# Altium PCB Tag201_GangProgrammerRev1.PcbDoc (part 5 of 7) (continued)
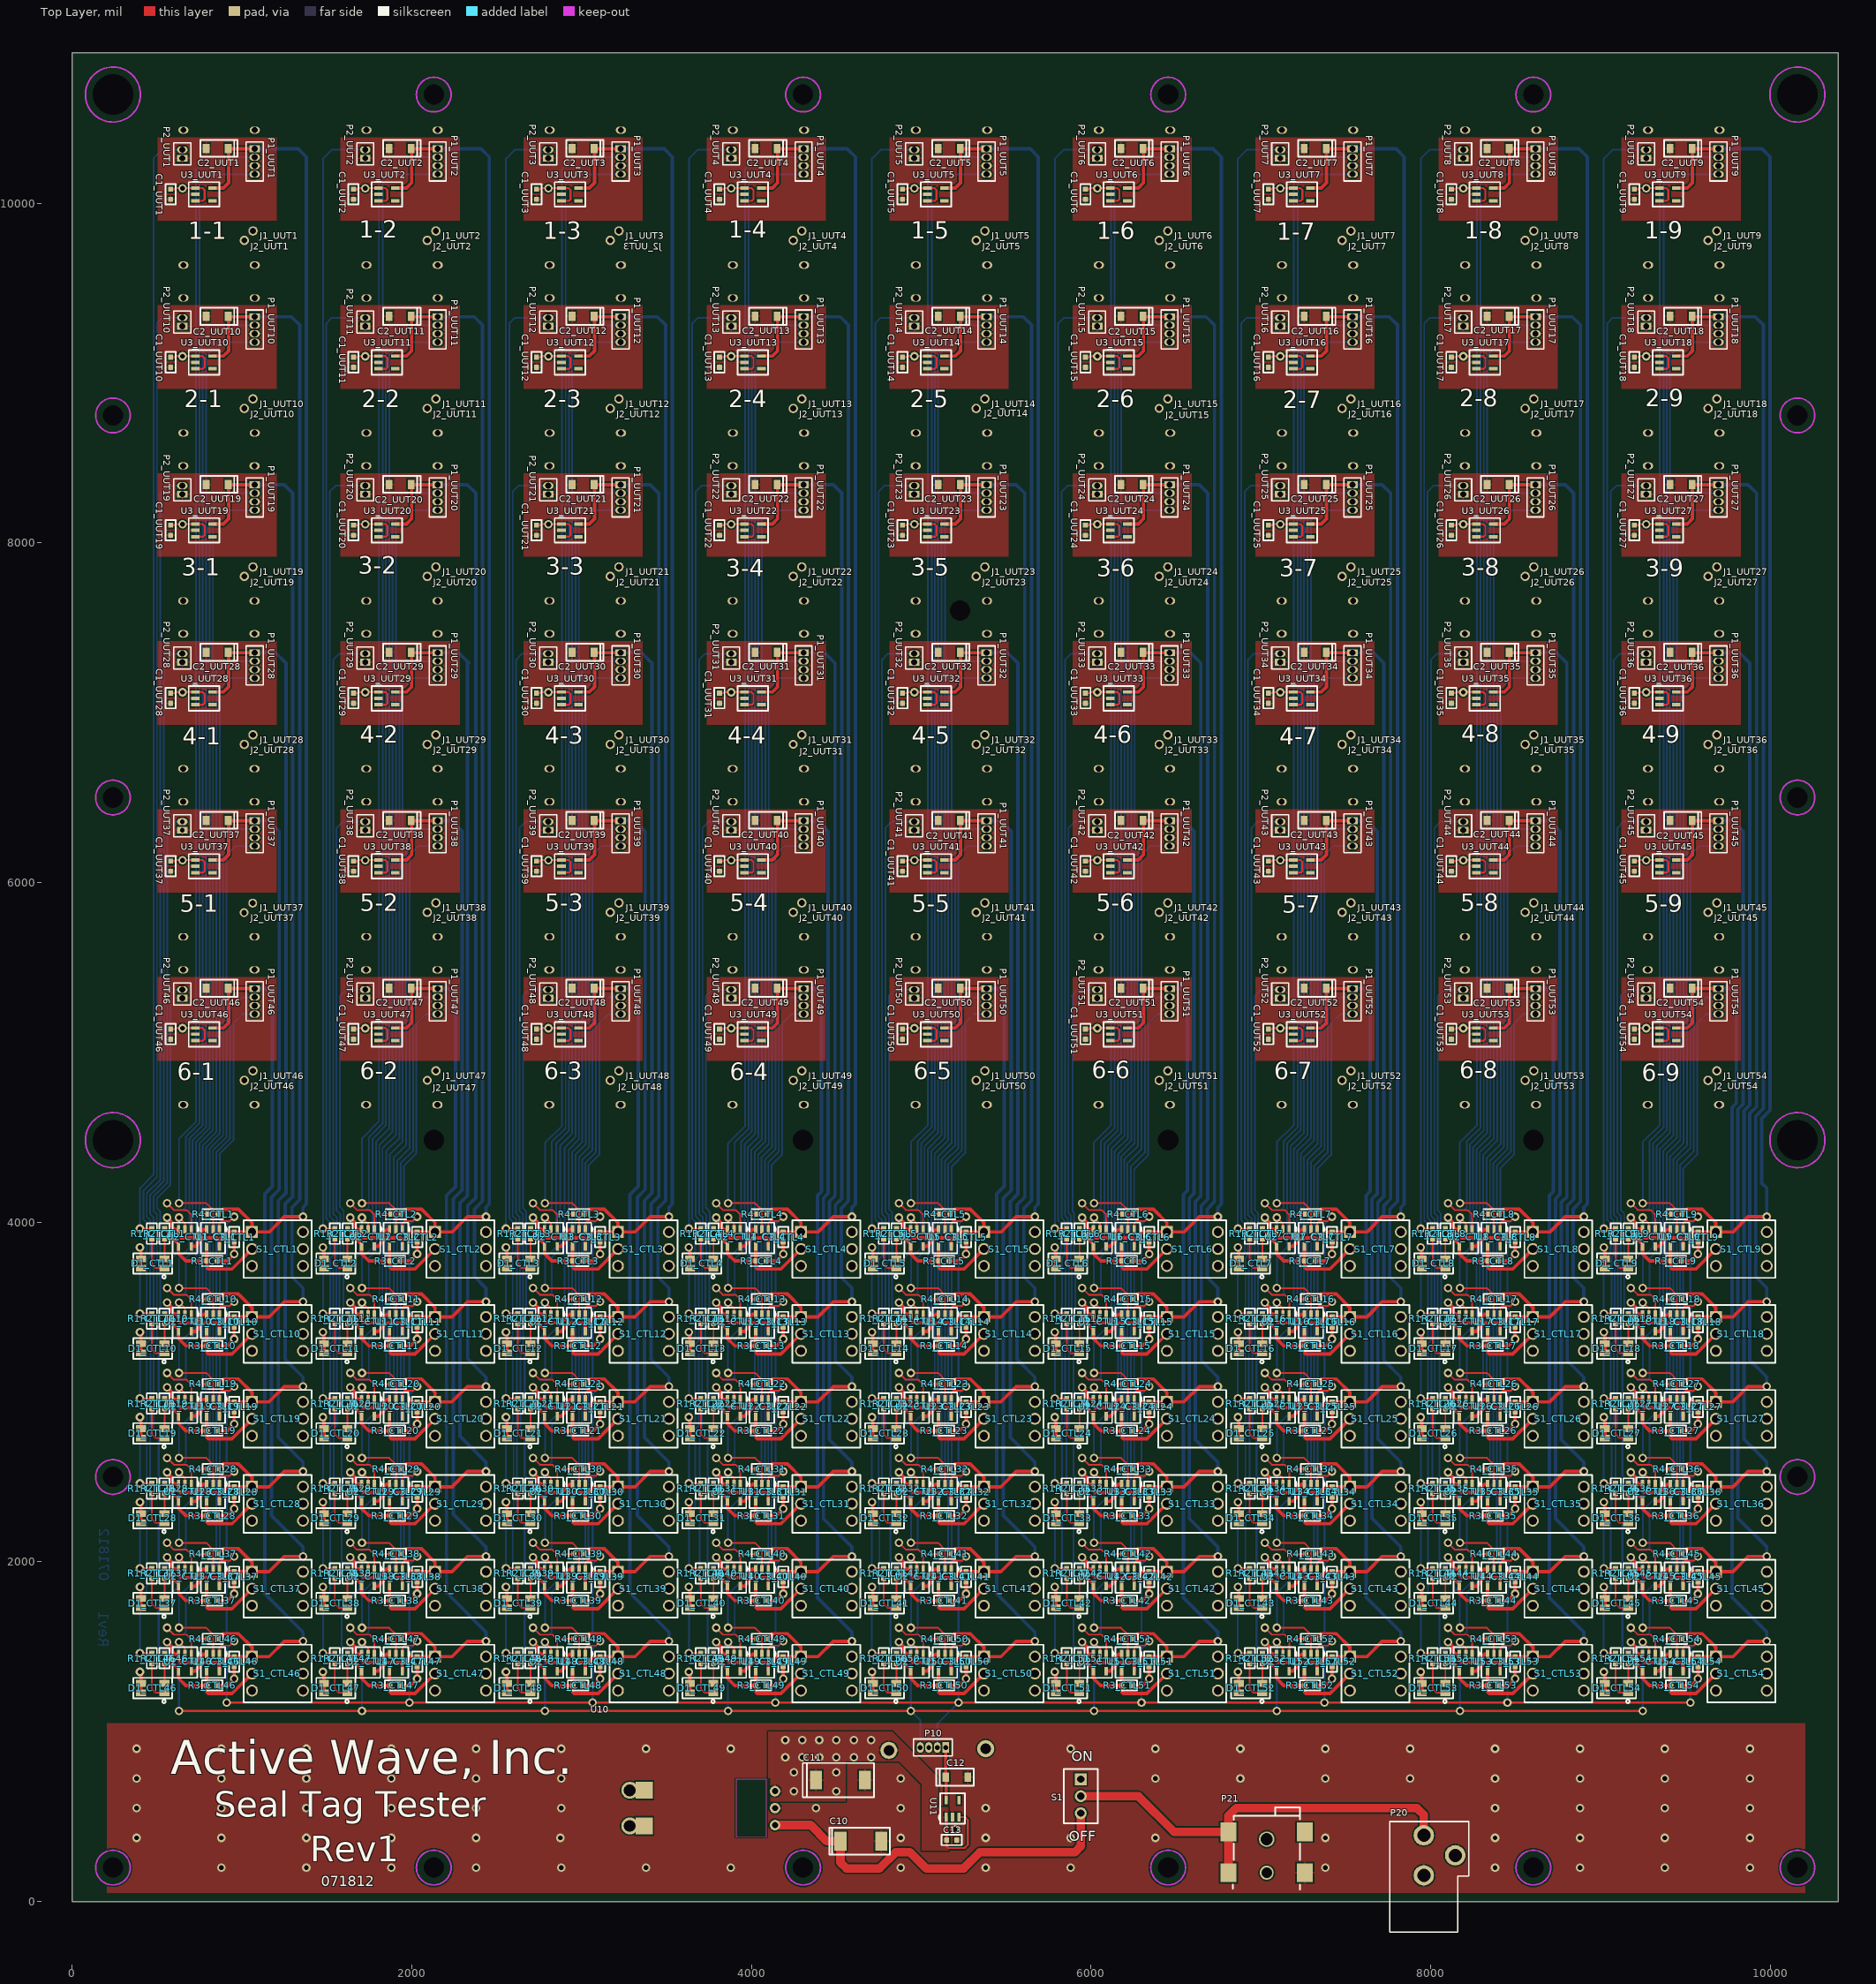
[diagram p0: Top Layer view]
## Nets (pads, with @x,y where several pads share a name; then routed paths per layer and width w, separated by ;. In a path a pad name is that pad's centre, name@x,y a point inside that pad or via, vN(x,y) a via of type N, cw(c..) or ccw(c..) an arc to the next point about the centre after c; other vN are vias at no path point) (continued)
NetR2_CTL36_2: R2_CTL36.2 R3_CTL36.1 S1_CTL36.2 U1_CTL36.4 U2_CTL36.4 | length 814.9
  Top Layer w10: R3_CTL36.1@9411.5,2269.5 9411.5,2272 R3_CTL36.1@9411.5,2274.5
  Top Layer w20: R2_CTL36.2@9164,2462 9209,2417 9209,2407 9246.5,2369.5 U2_CTL36.4@9246.5,2357 9246.5,2314.5 9289,2272 9411.5,2272 R3_CTL36.1@9414,2272 ; U1_CTL36.4@9411.5,2357 9411.5,2274.5 R3_CTL36.1@9414,2272 ; S1_CTL36.2@9679,2342 9561.09,2224.09 9421.91,2224.09 9414,2232 R3_CTL36.1@9414,2272
NetR2_CTL37_2: R2_CTL37.2 R3_CTL37.1 S1_CTL37.2 U1_CTL37.4 U2_CTL37.4 | length 814.9
  Top Layer w10: R3_CTL37.1@791.5,1769.5 791.5,1772 R3_CTL37.1@791.5,1774.5
  Top Layer w20: R2_CTL37.2@544,1962 589,1917 589,1907 626.5,1869.5 U2_CTL37.4@626.5,1857 626.5,1814.5 669,1772 791.5,1772 R3_CTL37.1@794,1772 ; U1_CTL37.4@791.5,1857 791.5,1774.5 R3_CTL37.1@794,1772 ; S1_CTL37.2@1059,1842 941.09,1724.09 801.91,1724.09 794,1732 R3_CTL37.1@794,1772
NetR2_CTL38_2: R2_CTL38.2 R3_CTL38.1 S1_CTL38.2 U1_CTL38.4 U2_CTL38.4 | length 814.9
  Top Layer w10: R3_CTL38.1@1869,1769.5 1869,1772 R3_CTL38.1@1869,1774.5
  Top Layer w20: R2_CTL38.2@1621.5,1962 1666.5,1917 1666.5,1907 1704,1869.5 U2_CTL38.4@1704,1857 1704,1814.5 1746.5,1772 1869,1772 R3_CTL38.1@1871.5,1772 ; U1_CTL38.4@1869,1857 1869,1774.5 R3_CTL38.1@1871.5,1772 ; S1_CTL38.2@2136.5,1842 2018.59,1724.09 1879.41,1724.09 1871.5,1732 R3_CTL38.1@1871.5,1772
NetR2_CTL39_2: R2_CTL39.2 R3_CTL39.1 S1_CTL39.2 U1_CTL39.4 U2_CTL39.4 | length 814.9
  Top Layer w10: R3_CTL39.1@2946.5,1769.5 2946.5,1772 R3_CTL39.1@2946.5,1774.5
  Top Layer w20: R2_CTL39.2@2699,1962 2744,1917 2744,1907 2781.5,1869.5 U2_CTL39.4@2781.5,1857 2781.5,1814.5 2824,1772 2946.5,1772 R3_CTL39.1@2949,1772 ; U1_CTL39.4@2946.5,1857 2946.5,1774.5 R3_CTL39.1@2949,1772 ; S1_CTL39.2@3214,1842 3096.09,1724.09 2956.91,1724.09 2949,1732 R3_CTL39.1@2949,1772
NetR2_CTL40_2: R2_CTL40.2 R3_CTL40.1 S1_CTL40.2 U1_CTL40.4 U2_CTL40.4 | length 814.9
  Top Layer w10: R3_CTL40.1@4024,1769.5 4024,1772 R3_CTL40.1@4024,1774.5
  Top Layer w20: R2_CTL40.2@3776.5,1962 3821.5,1917 3821.5,1907 3859,1869.5 U2_CTL40.4@3859,1857 3859,1814.5 3901.5,1772 4024,1772 R3_CTL40.1@4026.5,1772 ; U1_CTL40.4@4024,1857 4024,1774.5 R3_CTL40.1@4026.5,1772 ; S1_CTL40.2@4291.5,1842 4173.59,1724.09 4034.41,1724.09 4026.5,1732 R3_CTL40.1@4026.5,1772
NetR2_CTL41_2: R2_CTL41.2 R3_CTL41.1 S1_CTL41.2 U1_CTL41.4 U2_CTL41.4 | length 814.9
  Top Layer w10: R3_CTL41.1@5101.5,1769.5 5101.5,1772 R3_CTL41.1@5101.5,1774.5
  Top Layer w20: R2_CTL41.2@4854,1962 4899,1917 4899,1907 4936.5,1869.5 U2_CTL41.4@4936.5,1857 4936.5,1814.5 4979,1772 5101.5,1772 R3_CTL41.1@5104,1772 ; U1_CTL41.4@5101.5,1857 5101.5,1774.5 R3_CTL41.1@5104,1772 ; S1_CTL41.2@5369,1842 5251.09,1724.09 5111.91,1724.09 5104,1732 R3_CTL41.1@5104,1772
NetR2_CTL42_2: R2_CTL42.2 R3_CTL42.1 S1_CTL42.2 U1_CTL42.4 U2_CTL42.4 | length 814.9
  Top Layer w10: R3_CTL42.1@6179,1769.5 6179,1772 R3_CTL42.1@6179,1774.5
  Top Layer w20: R2_CTL42.2@5931.5,1962 5976.5,1917 5976.5,1907 6014,1869.5 U2_CTL42.4@6014,1857 6014,1814.5 6056.5,1772 6179,1772 R3_CTL42.1@6181.5,1772 ; U1_CTL42.4@6179,1857 6179,1774.5 R3_CTL42.1@6181.5,1772 ; S1_CTL42.2@6446.5,1842 6328.59,1724.09 6189.41,1724.09 6181.5,1732 R3_CTL42.1@6181.5,1772
NetR2_CTL43_2: R2_CTL43.2 R3_CTL43.1 S1_CTL43.2 U1_CTL43.4 U2_CTL43.4 | length 814.9
  Top Layer w10: R3_CTL43.1@7256.5,1769.5 7256.5,1772 R3_CTL43.1@7256.5,1774.5
  Top Layer w20: R2_CTL43.2@7009,1962 7054,1917 7054,1907 7091.5,1869.5 U2_CTL43.4@7091.5,1857 7091.5,1814.5 7134,1772 7256.5,1772 R3_CTL43.1@7259,1772 ; U1_CTL43.4@7256.5,1857 7256.5,1774.5 R3_CTL43.1@7259,1772 ; S1_CTL43.2@7524,1842 7406.09,1724.09 7266.91,1724.09 7259,1732 R3_CTL43.1@7259,1772
NetR2_CTL44_2: R2_CTL44.2 R3_CTL44.1 S1_CTL44.2 U1_CTL44.4 U2_CTL44.4 | length 814.9
  Top Layer w10: R3_CTL44.1@8334,1769.5 8334,1772 R3_CTL44.1@8334,1774.5
  Top Layer w20: R2_CTL44.2@8086.5,1962 8131.5,1917 8131.5,1907 8169,1869.5 U2_CTL44.4@8169,1857 8169,1814.5 8211.5,1772 8334,1772 R3_CTL44.1@8336.5,1772 ; U1_CTL44.4@8334,1857 8334,1774.5 R3_CTL44.1@8336.5,1772 ; S1_CTL44.2@8601.5,1842 8483.59,1724.09 8344.41,1724.09 8336.5,1732 R3_CTL44.1@8336.5,1772
NetR2_CTL45_2: R2_CTL45.2 R3_CTL45.1 S1_CTL45.2 U1_CTL45.4 U2_CTL45.4 | length 814.9
  Top Layer w10: R3_CTL45.1@9411.5,1769.5 9411.5,1772 R3_CTL45.1@9411.5,1774.5
  Top Layer w20: R2_CTL45.2@9164,1962 9209,1917 9209,1907 9246.5,1869.5 U2_CTL45.4@9246.5,1857 9246.5,1814.5 9289,1772 9411.5,1772 R3_CTL45.1@9414,1772 ; U1_CTL45.4@9411.5,1857 9411.5,1774.5 R3_CTL45.1@9414,1772 ; S1_CTL45.2@9679,1842 9561.09,1724.09 9421.91,1724.09 9414,1732 R3_CTL45.1@9414,1772
NetR2_CTL46_2: R2_CTL46.2 R3_CTL46.1 S1_CTL46.2 U1_CTL46.4 U2_CTL46.4 | length 814.9
  Top Layer w10: R3_CTL46.1@791.5,1269.5 791.5,1272 R3_CTL46.1@791.5,1274.5
  Top Layer w20: R2_CTL46.2@544,1462 589,1417 589,1407 626.5,1369.5 U2_CTL46.4@626.5,1357 626.5,1314.5 669,1272 791.5,1272 R3_CTL46.1@794,1272 ; U1_CTL46.4@791.5,1357 791.5,1274.5 R3_CTL46.1@794,1272 ; S1_CTL46.2@1059,1342 941.09,1224.09 801.91,1224.09 794,1232 R3_CTL46.1@794,1272
NetR2_CTL47_2: R2_CTL47.2 R3_CTL47.1 S1_CTL47.2 U1_CTL47.4 U2_CTL47.4 | length 814.9
  Top Layer w10: R3_CTL47.1@1869,1269.5 1869,1272 R3_CTL47.1@1869,1274.5
  Top Layer w20: R2_CTL47.2@1621.5,1462 1666.5,1417 1666.5,1407 1704,1369.5 U2_CTL47.4@1704,1357 1704,1314.5 1746.5,1272 1869,1272 R3_CTL47.1@1871.5,1272 ; U1_CTL47.4@1869,1357 1869,1274.5 R3_CTL47.1@1871.5,1272 ; S1_CTL47.2@2136.5,1342 2018.59,1224.09 1879.41,1224.09 1871.5,1232 R3_CTL47.1@1871.5,1272
NetR2_CTL48_2: R2_CTL48.2 R3_CTL48.1 S1_CTL48.2 U1_CTL48.4 U2_CTL48.4 | length 814.9
  Top Layer w10: R3_CTL48.1@2946.5,1269.5 2946.5,1272 R3_CTL48.1@2946.5,1274.5
  Top Layer w20: R2_CTL48.2@2699,1462 2744,1417 2744,1407 2781.5,1369.5 U2_CTL48.4@2781.5,1357 2781.5,1314.5 2824,1272 2946.5,1272 R3_CTL48.1@2949,1272 ; U1_CTL48.4@2946.5,1357 2946.5,1274.5 R3_CTL48.1@2949,1272 ; S1_CTL48.2@3214,1342 3096.09,1224.09 2956.91,1224.09 2949,1232 R3_CTL48.1@2949,1272
NetR2_CTL49_2: R2_CTL49.2 R3_CTL49.1 S1_CTL49.2 U1_CTL49.4 U2_CTL49.4 | length 814.9
  Top Layer w10: R3_CTL49.1@4024,1269.5 4024,1272 R3_CTL49.1@4024,1274.5
  Top Layer w20: R2_CTL49.2@3776.5,1462 3821.5,1417 3821.5,1407 3859,1369.5 U2_CTL49.4@3859,1357 3859,1314.5 3901.5,1272 4024,1272 R3_CTL49.1@4026.5,1272 ; U1_CTL49.4@4024,1357 4024,1274.5 R3_CTL49.1@4026.5,1272 ; S1_CTL49.2@4291.5,1342 4173.59,1224.09 4034.41,1224.09 4026.5,1232 R3_CTL49.1@4026.5,1272
NetR2_CTL50_2: R2_CTL50.2 R3_CTL50.1 S1_CTL50.2 U1_CTL50.4 U2_CTL50.4 | length 814.9
  Top Layer w10: R3_CTL50.1@5101.5,1269.5 5101.5,1272 R3_CTL50.1@5101.5,1274.5
  Top Layer w20: R2_CTL50.2@4854,1462 4899,1417 4899,1407 4936.5,1369.5 U2_CTL50.4@4936.5,1357 4936.5,1314.5 4979,1272 5101.5,1272 R3_CTL50.1@5104,1272 ; U1_CTL50.4@5101.5,1357 5101.5,1274.5 R3_CTL50.1@5104,1272 ; S1_CTL50.2@5369,1342 5251.09,1224.09 5111.91,1224.09 5104,1232 R3_CTL50.1@5104,1272
NetR2_CTL51_2: R2_CTL51.2 R3_CTL51.1 S1_CTL51.2 U1_CTL51.4 U2_CTL51.4 | length 814.9
  Top Layer w10: R3_CTL51.1@6179,1269.5 6179,1272 R3_CTL51.1@6179,1274.5
  Top Layer w20: R2_CTL51.2@5931.5,1462 5976.5,1417 5976.5,1407 6014,1369.5 U2_CTL51.4@6014,1357 6014,1314.5 6056.5,1272 6179,1272 R3_CTL51.1@6181.5,1272 ; U1_CTL51.4@6179,1357 6179,1274.5 R3_CTL51.1@6181.5,1272 ; S1_CTL51.2@6446.5,1342 6328.59,1224.09 6189.41,1224.09 6181.5,1232 R3_CTL51.1@6181.5,1272
NetR2_CTL52_2: R2_CTL52.2 R3_CTL52.1 S1_CTL52.2 U1_CTL52.4 U2_CTL52.4 | length 814.9
  Top Layer w10: R3_CTL52.1@7256.5,1269.5 7256.5,1272 R3_CTL52.1@7256.5,1274.5
  Top Layer w20: R2_CTL52.2@7009,1462 7054,1417 7054,1407 7091.5,1369.5 U2_CTL52.4@7091.5,1357 7091.5,1314.5 7134,1272 7256.5,1272 R3_CTL52.1@7259,1272 ; U1_CTL52.4@7256.5,1357 7256.5,1274.5 R3_CTL52.1@7259,1272 ; S1_CTL52.2@7524,1342 7406.09,1224.09 7266.91,1224.09 7259,1232 R3_CTL52.1@7259,1272
NetR2_CTL53_2: R2_CTL53.2 R3_CTL53.1 S1_CTL53.2 U1_CTL53.4 U2_CTL53.4 | length 814.9
  Top Layer w10: R3_CTL53.1@8334,1269.5 8334,1272 R3_CTL53.1@8334,1274.5
  Top Layer w20: R2_CTL53.2@8086.5,1462 8131.5,1417 8131.5,1407 8169,1369.5 U2_CTL53.4@8169,1357 8169,1314.5 8211.5,1272 8334,1272 R3_CTL53.1@8336.5,1272 ; U1_CTL53.4@8334,1357 8334,1274.5 R3_CTL53.1@8336.5,1272 ; S1_CTL53.2@8601.5,1342 8483.59,1224.09 8344.41,1224.09 8336.5,1232 R3_CTL53.1@8336.5,1272
NetR2_CTL54_2: R2_CTL54.2 R3_CTL54.1 S1_CTL54.2 U1_CTL54.4 U2_CTL54.4 | length 814.9
  Top Layer w10: R3_CTL54.1@9411.5,1269.5 9411.5,1272 R3_CTL54.1@9411.5,1274.5
  Top Layer w20: R2_CTL54.2@9164,1462 9209,1417 9209,1407 9246.5,1369.5 U2_CTL54.4@9246.5,1357 9246.5,1314.5 9289,1272 9411.5,1272 R3_CTL54.1@9414,1272 ; U1_CTL54.4@9411.5,1357 9411.5,1274.5 R3_CTL54.1@9414,1272 ; S1_CTL54.2@9679,1342 9561.09,1224.09 9421.91,1224.09 9414,1232 R3_CTL54.1@9414,1272
RESET1: P1_UUT1.4 R4_CTL1.2 U2_CTL1.1@701.5,3957 | length 6898.1
  Top Layer w10: v1(559,4112) 599,4072 674,4072 699,4047 ; U2_CTL1.1@701.5,3957 701.5,4044.5 699,4047 ; R4_CTL1.2@799,4047 699,4047
  Bottom Layer w10: v1(559,4112) 601,4070 652,4070 669,4087 669,4502 749,4582 749,10112 ; 751,10112 809,10170 P1_UUT1.4@1074.5,10170
RESET2: P1_UUT2.4 R4_CTL2.2 U2_CTL2.1@1779,3957 | length 6908.4
  Top Layer w10: v1(1636.5,4112) 1676.5,4072 1751.5,4072 1776.5,4047 ; U2_CTL2.1@1779,3957 1779,4044.5 1776.5,4047 ; R4_CTL2.2@1876.5,4047 1776.5,4047
  Bottom Layer w10: v1(1636.5,4112) 1678.5,4070 1729.5,4070 1746.5,4087 1746.5,4482 1746.5,4499.5 1828.5,4581.5 1828.5,4602 ; 1828.5,4592.5 1828.5,4602 ; P1_UUT2.4@2152,10170 1886.5,10170 1828.5,10112 1828.5,4602
RESET3: P1_UUT3.4 R4_CTL3.2 U2_CTL3.1@2856.5,3957 | length 6898.9
  Top Layer w10: v1(2714,4112) 2754,4072 2829,4072 2854,4047 ; U2_CTL3.1@2856.5,3957 2856.5,4044.5 2854,4047 ; R4_CTL3.2@2954,4047 2854,4047
  Bottom Layer w10: v1(2714,4112) 2756,4070 2807,4070 2824,4087 2824,4472 2906,4554 2906,10112 2964,10170 P1_UUT3.4@3229.5,10170
RESET4: P1_UUT4.4 R4_CTL4.2 U2_CTL4.1@3934,3957 | length 6898.9
  Top Layer w10: v1(3791.5,4112) 3831.5,4072 3906.5,4072 3931.5,4047 ; U2_CTL4.1@3934,3957 3934,4044.5 3931.5,4047 ; R4_CTL4.2@4031.5,4047 3931.5,4047
  Bottom Layer w10: v1(3791.5,4112) 3833.5,4070 3884.5,4070 3901.5,4087 3901.5,4469.5 3983.5,4551.5 3983.5,10112 4041.5,10170 P1_UUT4.4@4307,10170
RESET5: P1_UUT5.4 R4_CTL5.2 U2_CTL5.1@5011.5,3957 | length 6898.9
  Top Layer w10: v1(4869,4112) 4909,4072 4984,4072 5009,4047 ; U2_CTL5.1@5011.5,3957 5011.5,4044.5 5009,4047 ; R4_CTL5.2@5109,4047 5009,4047
  Bottom Layer w10: v1(4869,4112) 4911,4070 4962,4070 4979,4087 4979,4477 5061,4559 5061,10112 5119,10170 P1_UUT5.4@5384.5,10170
RESET6: P1_UUT6.4 R4_CTL6.2 U2_CTL6.1@6089,3957 | length 6898.9
  Top Layer w10: v1(5946.5,4112) 5986.5,4072 6061.5,4072 6086.5,4047 ; U2_CTL6.1@6089,3957 6089,4044.5 6086.5,4047 ; R4_CTL6.2@6186.5,4047 6086.5,4047
  Bottom Layer w10: v1(5946.5,4112) 5988.5,4070 6039.5,4070 6056.5,4087 6056.5,4474.5 6138.5,4556.5 6138.5,10112 6196.5,10170 P1_UUT6.4@6462,10170
RESET7: P1_UUT7.4 R4_CTL7.2 U2_CTL7.1@7166.5,3957 | length 6898.9
  Top Layer w10: v1(7024,4112) 7064,4072 7139,4072 7164,4047 ; U2_CTL7.1@7166.5,3957 7166.5,4044.5 7164,4047 ; R4_CTL7.2@7264,4047 7164,4047
  Bottom Layer w10: v1(7024,4112) 7066,4070 7117,4070 7134,4087 7134,4477 7216,4559 7216,10112 7274,10170 P1_UUT7.4@7539.5,10170
RESET8: P1_UUT8.4 R4_CTL8.2 U2_CTL8.1@8244,3957 | length 6898.9
  Top Layer w10: v1(8101.5,4112) 8141.5,4072 8216.5,4072 8241.5,4047 ; U2_CTL8.1@8244,3957 8244,4044.5 8241.5,4047 ; R4_CTL8.2@8341.5,4047 8241.5,4047
  Bottom Layer w10: v1(8101.5,4112) 8143.5,4070 8194.5,4070 8211.5,4087 8211.5,4474.5 8293.5,4556.5 8293.5,10112 8351.5,10170 P1_UUT8.4@8617,10170
RESET9: P1_UUT9.4 R4_CTL9.2 U2_CTL9.1@9321.5,3957 | length 6898.9
  Top Layer w10: v1(9179,4112) 9219,4072 9294,4072 9319,4047 ; U2_CTL9.1@9321.5,3957 9321.5,4044.5 9319,4047 ; R4_CTL9.2@9419,4047 9319,4047
  Bottom Layer w10: v1(9179,4112) 9221,4070 9272,4070 9289,4087 9289,4477 9371,4559 9371,10112 9429,10170 P1_UUT9.4@9694.5,10170
RESET10: P1_UUT10.4 R4_CTL10.2 U2_CTL10.1@701.5,3457 | length 6375.3
  Top Layer w10: v1(559,3612) 599,3572 674,3572 699,3547 ; U2_CTL10.1@701.5,3457 701.5,3544.5 699,3547 ; R4_CTL10.2@799,3547 699,3547
  Bottom Layer w10: v1(559,3612) 601,3570 652,3570 669,3587 669,3787 709,3827 709,4482 789,4562 789,9102 868,9181 P1_UUT10.4@1074.5,9181
RESET11: P1_UUT11.4 R4_CTL11.2 U2_CTL11.1@1779,3457 | length 6375.3
  Top Layer w10: v1(1636.5,3612) 1676.5,3572 1751.5,3572 1776.5,3547 ; U2_CTL11.1@1779,3457 1779,3544.5 1776.5,3547 ; R4_CTL11.2@1876.5,3547 1776.5,3547
  Bottom Layer w10: v1(1636.5,3612) 1678.5,3570 1729.5,3570 1746.5,3587 1746.5,3789.5 1789,3832 1789,4472 1866.5,4549.5 1866.5,9102 1945.5,9181 P1_UUT11.4@2152,9181
RESET12: P1_UUT12.4 R4_CTL12.2 U2_CTL12.1@2856.5,3457 | length 6375.3
  Top Layer w10: v1(2714,3612) 2754,3572 2829,3572 2854,3547 ; U2_CTL12.1@2856.5,3457 2856.5,3544.5 2854,3547 ; R4_CTL12.2@2954,3547 2854,3547
  Bottom Layer w10: v1(2714,3612) 2756,3570 2807,3570 2824,3587 2824,3792 2874,3842 2874,4452 2944,4522 2944,9102 3023,9181 P1_UUT12.4@3229.5,9181
RESET13: P1_UUT13.4 R4_CTL13.2 U2_CTL13.1@3934,3457 | length 6375.3
  Top Layer w10: v1(3791.5,3612) 3831.5,3572 3906.5,3572 3931.5,3547 ; U2_CTL13.1@3934,3457 3934,3544.5 3931.5,3547 ; R4_CTL13.2@4031.5,3547 3931.5,3547
  Bottom Layer w10: v1(3791.5,3612) 3833.5,3570 3884.5,3570 3901.5,3587 3901.5,3784.5 3959,3842 3959,4457 4021.5,4519.5 4021.5,9102 4100.5,9181 P1_UUT13.4@4307,9181
RESET14: P1_UUT14.4 R4_CTL14.2 U2_CTL14.1@5011.5,3457 | length 6375.3
  Top Layer w10: v1(4869,3612) 4909,3572 4984,3572 5009,3547 ; U2_CTL14.1@5011.5,3457 5011.5,3544.5 5009,3547 ; R4_CTL14.2@5109,3547 5009,3547
  Bottom Layer w10: v1(4869,3612) 4911,3570 4962,3570 4979,3587 4979,3792 5019,3832 5019,4447 5099,4527 5099,9102 5178,9181 P1_UUT14.4@5384.5,9181
RESET15: P1_UUT15.4 R4_CTL15.2 U2_CTL15.1@6089,3457 | length 6375.3
  Top Layer w10: v1(5946.5,3612) 5986.5,3572 6061.5,3572 6086.5,3547 ; U2_CTL15.1@6089,3457 6089,3544.5 6086.5,3547 ; R4_CTL15.2@6186.5,3547 6086.5,3547
  Bottom Layer w10: v1(5946.5,3612) 5988.5,3570 6039.5,3570 6056.5,3587 6056.5,3794.5 6099,3837 6099,4447 6176.5,4524.5 6176.5,9102 6255.5,9181 P1_UUT15.4@6462,9181
RESET16: P1_UUT16.4 R4_CTL16.2 U2_CTL16.1@7166.5,3457 | length 6375.3
  Top Layer w10: v1(7024,3612) 7064,3572 7139,3572 7164,3547 ; U2_CTL16.1@7166.5,3457 7166.5,3544.5 7164,3547 ; R4_CTL16.2@7264,3547 7164,3547
  Bottom Layer w10: v1(7024,3612) 7066,3570 7117,3570 7134,3587 7134,3797 7174,3837 7174,4447 7254,4527 7254,9102 7333,9181 P1_UUT16.4@7539.5,9181
RESET17: P1_UUT17.4 R4_CTL17.2 U2_CTL17.1@8244,3457 | length 6375.3
  Top Layer w10: v1(8101.5,3612) 8141.5,3572 8216.5,3572 8241.5,3547 ; U2_CTL17.1@8244,3457 8244,3544.5 8241.5,3547 ; R4_CTL17.2@8341.5,3547 8241.5,3547
  Bottom Layer w10: v1(8101.5,3612) 8143.5,3570 8194.5,3570 8211.5,3587 8211.5,3794.5 8249,3832 8249,4442 8331.5,4524.5 8331.5,9102 8410.5,9181 P1_UUT17.4@8617,9181
RESET18: P1_UUT18.4 R4_CTL18.2 U2_CTL18.1@9321.5,3457 | length 6375.3
  Top Layer w10: v1(9179,3612) 9219,3572 9294,3572 9319,3547 ; U2_CTL18.1@9321.5,3457 9321.5,3544.5 9319,3547 ; R4_CTL18.2@9419,3547 9319,3547
  Bottom Layer w10: v1(9179,3612) 9221,3570 9272,3570 9289,3587 9289,3787 9329,3827 9329,4447 9409,4527 9409,9102 9488,9181 P1_UUT18.4@9694.5,9181
RESET19: P1_UUT19.4 R4_CTL19.2 U2_CTL19.1@701.5,2957 | length 5879.9
  Top Layer w10: v1(559,3112) 599,3072 674,3072 699,3047 ; U2_CTL19.1@701.5,2957 701.5,3044.5 699,3047 ; R4_CTL19.2@799,3047 699,3047
  Bottom Layer w10: v1(559,3112) 601,3070 652,3070 669,3087 669,3287 749,3367 749,4462 829,4542 829,8142 879,8192 P1_UUT19.4@1074.5,8192
RESET20: P1_UUT20.4 R4_CTL20.2 U2_CTL20.1@1779,2957 | length 5879.9
  Top Layer w10: v1(1636.5,3112) 1676.5,3072 1751.5,3072 1776.5,3047 ; U2_CTL20.1@1779,2957 1779,3044.5 1776.5,3047 ; R4_CTL20.2@1876.5,3047 1776.5,3047
  Bottom Layer w10: v1(1636.5,3112) 1678.5,3070 1729.5,3070 1746.5,3087 1746.5,3314.5 1827,3395 1827,4435 1906.5,4514.5 1906.5,8142 1956.5,8192 P1_UUT20.4@2152,8192
RESET21: P1_UUT21.4 R4_CTL21.2 U2_CTL21.1@2856.5,2957 | length 5879.9
  Top Layer w10: v1(2714,3112) 2754,3072 2829,3072 2854,3047 ; U2_CTL21.1@2856.5,2957 2856.5,3044.5 2854,3047 ; R4_CTL21.2@2954,3047 2854,3047
  Bottom Layer w10: v1(2714,3112) 2756,3070 2807,3070 2824,3087 2824,3312 2924,3412 2924,4427 2984,4487 2984,8142 3034,8192 P1_UUT21.4@3229.5,8192
RESET22: P1_UUT22.4 R4_CTL22.2 U2_CTL22.1@3934,2957 | length 5879.9
  Top Layer w10: v1(3791.5,3112) 3831.5,3072 3906.5,3072 3931.5,3047 ; U2_CTL22.1@3934,2957 3934,3044.5 3931.5,3047 ; R4_CTL22.2@4031.5,3047 3931.5,3047
  Bottom Layer w10: v1(3791.5,3112) 3833.5,3070 3884.5,3070 3901.5,3087 3901.5,3304.5 3999,3402 3999,4427 4061.5,4489.5 4061.5,8142 4111.5,8192 P1_UUT22.4@4307,8192
RESET23: P1_UUT23.4 R4_CTL23.2 U2_CTL23.1@5011.5,2957 | length 5879.9
  Top Layer w10: v1(4869,3112) 4909,3072 4984,3072 5009,3047 ; U2_CTL23.1@5011.5,2957 5011.5,3044.5 5009,3047 ; R4_CTL23.2@5109,3047 5009,3047
  Bottom Layer w10: v1(4869,3112) 4911,3070 4962,3070 4979,3087 4979,3307 5059,3387 5059,4417 5139,4497 5139,8142 5189,8192 P1_UUT23.4@5384.5,8192
RESET24: P1_UUT24.4 R4_CTL24.2 U2_CTL24.1@6089,2957 | length 5879.9
  Top Layer w10: v1(5946.5,3112) 5986.5,3072 6061.5,3072 6086.5,3047 ; U2_CTL24.1@6089,2957 6089,3044.5 6086.5,3047 ; R4_CTL24.2@6186.5,3047 6086.5,3047
  Bottom Layer w10: v1(5946.5,3112) 5988.5,3070 6039.5,3070 6056.5,3087 6056.5,3309.5 6139,3392 6139,4417 6216.5,4494.5 6216.5,8142 6266.5,8192 P1_UUT24.4@6462,8192
RESET25: P1_UUT25.4 R4_CTL25.2 U2_CTL25.1@7166.5,2957 | length 5879.9
  Top Layer w10: v1(7024,3112) 7064,3072 7139,3072 7164,3047 ; U2_CTL25.1@7166.5,2957 7166.5,3044.5 7164,3047 ; R4_CTL25.2@7264,3047 7164,3047
  Bottom Layer w10: v1(7024,3112) 7066,3070 7117,3070 7134,3087 7134,3312 7214,3392 7214,4417 7294,4497 7294,8142 7344,8192 P1_UUT25.4@7539.5,8192
RESET26: P1_UUT26.4 R4_CTL26.2 U2_CTL26.1@8244,2957 | length 5879.9
  Top Layer w10: v1(8101.5,3112) 8141.5,3072 8216.5,3072 8241.5,3047 ; U2_CTL26.1@8244,2957 8244,3044.5 8241.5,3047 ; R4_CTL26.2@8341.5,3047 8241.5,3047
  Bottom Layer w10: v1(8101.5,3112) 8143.5,3070 8194.5,3070 8211.5,3087 8211.5,3314.5 8289,3392 8289,4412 8371.5,4494.5 8371.5,8142 8421.5,8192 P1_UUT26.4@8617,8192
RESET27: P1_UUT27.4 R4_CTL27.2 U2_CTL27.1@9321.5,2957 | length 5879.9
  Top Layer w10: v1(9179,3112) 9219,3072 9294,3072 9319,3047 ; U2_CTL27.1@9321.5,2957 9321.5,3044.5 9319,3047 ; R4_CTL27.2@9419,3047 9319,3047
  Bottom Layer w10: v1(9179,3112) 9221,3070 9272,3070 9289,3087 9289,3307 9369,3387 9369,4417 9449,4497 9449,8142 9499,8192 P1_UUT27.4@9694.5,8192
RESET28: P1_UUT28.4 R4_CTL28.2 U2_CTL28.1@701.5,2457 | length 5361
  Top Layer w10: v1(559,2612) 599,2572 674,2572 699,2547 ; U2_CTL28.1@701.5,2457 701.5,2544.5 699,2547 ; R4_CTL28.2@799,2547 699,2547
  Bottom Layer w10: v1(559,2612) 601,2570 652,2570 669,2587 669,2787 789,2907 789,4442 869,4522 869,7142 930,7203 P1_UUT28.4@1074.5,7203
RESET29: P1_UUT29.4 R4_CTL29.2 U2_CTL29.1@1779,2457 | length 5361
  Top Layer w10: v1(1636.5,2612) 1676.5,2572 1751.5,2572 1776.5,2547 ; U2_CTL29.1@1779,2457 1779,2544.5 1776.5,2547 ; R4_CTL29.2@1876.5,2547 1776.5,2547
  Bottom Layer w10: v1(1636.5,2612) 1678.5,2570 1729.5,2570 1746.5,2587 1746.5,2809.5 1869,2932 1869,4397 1946.5,4474.5 1946.5,7142 2007.5,7203 P1_UUT29.4@2152,7203
RESET30: P1_UUT30.4 R4_CTL30.2 U2_CTL30.1@2856.5,2457 | length 5361
  Top Layer w10: v1(2714,2612) 2754,2572 2829,2572 2854,2547 ; U2_CTL30.1@2856.5,2457 2856.5,2544.5 2854,2547 ; R4_CTL30.2@2954,2547 2854,2547
  Bottom Layer w10: v1(2714,2612) 2756,2570 2807,2570 2824,2587 2824,2802 2964,2942 2964,4397 3024,4457 3024,7142 3085,7203 P1_UUT30.4@3229.5,7203
RESET31: P1_UUT31.4 R4_CTL31.2 U2_CTL31.1@3934,2457 | length 5361
  Top Layer w10: v1(3791.5,2612) 3831.5,2572 3906.5,2572 3931.5,2547 ; U2_CTL31.1@3934,2457 3934,2544.5 3931.5,2547 ; R4_CTL31.2@4031.5,2547 3931.5,2547
  Bottom Layer w10: v1(3791.5,2612) 3833.5,2570 3884.5,2570 3901.5,2587 3901.5,2794.5 4039,2932 4039,4397 4101.5,4459.5 4101.5,7142 4162.5,7203 P1_UUT31.4@4307,7203
RESET32: P1_UUT32.4 R4_CTL32.2 U2_CTL32.1@5011.5,2457 | length 5361
  Top Layer w10: v1(4869,2612) 4909,2572 4984,2572 5009,2547 ; U2_CTL32.1@5011.5,2457 5011.5,2544.5 5009,2547 ; R4_CTL32.2@5109,2547 5009,2547
  Bottom Layer w10: v1(4869,2612) 4911,2570 4962,2570 4979,2587 4979,2802 5099,2922 5099,4387 5179,4467 5179,7142 5240,7203 P1_UUT32.4@5384.5,7203
RESET33: P1_UUT33.4 R4_CTL33.2 U2_CTL33.1@6089,2457 | length 5361
  Top Layer w10: v1(5946.5,2612) 5986.5,2572 6061.5,2572 6086.5,2547 ; U2_CTL33.1@6089,2457 6089,2544.5 6086.5,2547 ; R4_CTL33.2@6186.5,2547 6086.5,2547
  Bottom Layer w10: v1(5946.5,2612) 5988.5,2570 6039.5,2570 6056.5,2587 6056.5,2799.5 6177,2920 6177,4385 6256.5,4464.5 6256.5,7142 6317.5,7203 P1_UUT33.4@6462,7203
RESET34: P1_UUT34.4 R4_CTL34.2 U2_CTL34.1@7166.5,2457 | length 5361
  Top Layer w10: v1(7024,2612) 7064,2572 7139,2572 7164,2547 ; U2_CTL34.1@7166.5,2457 7166.5,2544.5 7164,2547 ; R4_CTL34.2@7264,2547 7164,2547
  Bottom Layer w10: v1(7024,2612) 7066,2570 7117,2570 7134,2587 7134,2802 7254,2922 7254,4382 7334,4462 7334,7142 7395,7203 P1_UUT34.4@7539.5,7203
RESET35: P1_UUT35.4 R4_CTL35.2 U2_CTL35.1@8244,2457 | length 5361
  Top Layer w10: v1(8101.5,2612) 8141.5,2572 8216.5,2572 8241.5,2547 ; U2_CTL35.1@8244,2457 8244,2544.5 8241.5,2547 ; R4_CTL35.2@8341.5,2547 8241.5,2547
  Bottom Layer w10: v1(8101.5,2612) 8143.5,2570 8194.5,2570 8211.5,2587 8211.5,2804.5 8329,2922 8329,4377 8411.5,4459.5 8411.5,7142 8472.5,7203 P1_UUT35.4@8617,7203
RESET36: P1_UUT36.4 R4_CTL36.2 U2_CTL36.1@9321.5,2457 | length 5361
  Top Layer w10: v1(9179,2612) 9219,2572 9294,2572 9319,2547 ; U2_CTL36.1@9321.5,2457 9321.5,2544.5 9319,2547 ; R4_CTL36.2@9419,2547 9319,2547
  Bottom Layer w10: v1(9179,2612) 9221,2570 9272,2570 9289,2587 9289,2807 9409,2927 9409,4387 9489,4467 9489,7142 9550,7203 P1_UUT36.4@9694.5,7203
RESET37: P1_UUT37.4 R4_CTL37.2 U2_CTL37.1@701.5,1957 | length 4853.8
  Top Layer w10: v1(559,2112) 599,2072 674,2072 699,2047 ; U2_CTL37.1@701.5,1957 701.5,2044.5 699,2047 ; R4_CTL37.2@799,2047 699,2047
  Bottom Layer w10: v1(559,2112) 601,2070 652,2070 669,2087 669,2292 829,2452 829,4422 909,4502 909,6162 961,6214 P1_UUT37.4@1074.5,6214
RESET38: P1_UUT38.4 R4_CTL38.2 U2_CTL38.1@1779,1957 | length 4853.8
  Top Layer w10: v1(1636.5,2112) 1676.5,2072 1751.5,2072 1776.5,2047 ; U2_CTL38.1@1779,1957 1779,2044.5 1776.5,2047 ; R4_CTL38.2@1876.5,2047 1776.5,2047
  Bottom Layer w10: v1(1636.5,2112) 1678.5,2070 1729.5,2070 1746.5,2087 1746.5,2314.5 1914,2482 1914,4362 1986.5,4434.5 1986.5,6162 2038.5,6214 P1_UUT38.4@2152,6214
RESET39: P1_UUT39.4 R4_CTL39.2 U2_CTL39.1@2856.5,1957 | length 4853.8
  Top Layer w10: v1(2714,2112) 2754,2072 2829,2072 2854,2047 ; U2_CTL39.1@2856.5,1957 2856.5,2044.5 2854,2047 ; R4_CTL39.2@2954,2047 2854,2047
  Bottom Layer w10: v1(2714,2112) 2756,2070 2807,2070 2824,2087 2824,2302 3003,2481 3003,4366 3064,4427 3064,6162 3116,6214 P1_UUT39.4@3229.5,6214
RESET40: P1_UUT40.4 R4_CTL40.2 U2_CTL40.1@3934,1957 | length 4853.8
  Top Layer w10: v1(3791.5,2112) 3831.5,2072 3906.5,2072 3931.5,2047 ; U2_CTL40.1@3934,1957 3934,2044.5 3931.5,2047 ; R4_CTL40.2@4031.5,2047 3931.5,2047
  Bottom Layer w10: v1(3791.5,2112) 3833.5,2070 3884.5,2070 3901.5,2087 3901.5,2304.5 4079,2482 4079,4367 4141.5,4429.5 4141.5,6162 4193.5,6214 P1_UUT40.4@4307,6214
RESET41: P1_UUT41.4 R4_CTL41.2 U2_CTL41.1@5011.5,1957 | length 4853.8
  Top Layer w10: v1(4869,2112) 4909,2072 4984,2072 5009,2047 ; U2_CTL41.1@5011.5,1957 5011.5,2044.5 5009,2047 ; R4_CTL41.2@5109,2047 5009,2047
  Bottom Layer w10: v1(4869,2112) 4911,2070 4962,2070 4979,2087 4979,2292 5139,2452 5139,4357 5219,4437 5219,6162 5271,6214 P1_UUT41.4@5384.5,6214
RESET42: P1_UUT42.4 R4_CTL42.2 U2_CTL42.1@6089,1957 | length 4853.8
  Top Layer w10: v1(5946.5,2112) 5986.5,2072 6061.5,2072 6086.5,2047 ; U2_CTL42.1@6089,1957 6089,2044.5 6086.5,2047 ; R4_CTL42.2@6186.5,2047 6086.5,2047
  Bottom Layer w10: v1(5946.5,2112) 5988.5,2070 6039.5,2070 6056.5,2087 6056.5,2304.5 6214,2462 6214,4347 6296.5,4429.5 6296.5,6162 6348.5,6214 P1_UUT42.4@6462,6214
RESET43: P1_UUT43.4 R4_CTL43.2 U2_CTL43.1@7166.5,1957 | length 4853.8
  Top Layer w10: v1(7024,2112) 7064,2072 7139,2072 7164,2047 ; U2_CTL43.1@7166.5,1957 7166.5,2044.5 7164,2047 ; R4_CTL43.2@7264,2047 7164,2047
  Bottom Layer w10: v1(7024,2112) 7066,2070 7117,2070 7134,2087 7134,2307 7294,2467 7294,4352 7374,4432 7374,6162 7426,6214 P1_UUT43.4@7539.5,6214
RESET44: P1_UUT44.4 R4_CTL44.2 U2_CTL44.1@8244,1957 | length 4853.8
  Top Layer w10: v1(8101.5,2112) 8141.5,2072 8216.5,2072 8241.5,2047 ; U2_CTL44.1@8244,1957 8244,2044.5 8241.5,2047 ; R4_CTL44.2@8341.5,2047 8241.5,2047
  Bottom Layer w10: v1(8101.5,2112) 8143.5,2070 8194.5,2070 8211.5,2087 8211.5,2309.5 8369,2467 8369,4347 8451.5,4429.5 8451.5,6162 8503.5,6214 P1_UUT44.4@8617,6214
RESET45: P1_UUT45.4 R4_CTL45.2 U2_CTL45.1@9321.5,1957 | length 4853.8
  Top Layer w10: v1(9179,2112) 9219,2072 9294,2072 9319,2047 ; U2_CTL45.1@9321.5,1957 9321.5,2044.5 9319,2047 ; R4_CTL45.2@9419,2047 9319,2047
  Bottom Layer w10: v1(9179,2112) 9221,2070 9272,2070 9289,2087 9289,2307 9449,2467 9449,4357 9529,4437 9529,6162 9581,6214 P1_UUT45.4@9694.5,6214
RESET46: P1_UUT46.4 R4_CTL46.2 U2_CTL46.1@701.5,1457 | length 4340.8
  Top Layer w10: v1(559,1612) 599,1572 674,1572 699,1547 ; U2_CTL46.1@701.5,1457 701.5,1544.5 699,1547 ; R4_CTL46.2@799,1547 699,1547
  Bottom Layer w10: v1(559,1612) 601,1570 652,1570 669,1587 669,1797 869,1997 869,4402 949,4482 949,5172 1002,5225 P1_UUT46.4@1074.5,5225
RESET47: P1_UUT47.4 R4_CTL47.2 U2_CTL47.1@1779,1457 | length 4340.8
  Top Layer w10: v1(1636.5,1612) 1676.5,1572 1751.5,1572 1776.5,1547 ; U2_CTL47.1@1779,1457 1779,1544.5 1776.5,1547 ; R4_CTL47.2@1876.5,1547 1776.5,1547
  Bottom Layer w10: v1(1636.5,1612) 1678.5,1570 1729.5,1570 1746.5,1587 1746.5,1824.5 1954,2032 1954,4332 2026.5,4404.5 2026.5,5172 2079.5,5225 P1_UUT47.4@2152,5225
RESET48: P1_UUT48.4 R4_CTL48.2 U2_CTL48.1@2856.5,1457 | length 4340.8
  Top Layer w10: v1(2714,1612) 2754,1572 2829,1572 2854,1547 ; U2_CTL48.1@2856.5,1457 2856.5,1544.5 2854,1547 ; R4_CTL48.2@2954,1547 2854,1547
  Bottom Layer w10: v1(2714,1612) 2756,1570 2807,1570 2824,1587 2824,1822 3039,2037 3039,4332 3104,4397 3104,5172 3157,5225 P1_UUT48.4@3229.5,5225
RESET49: P1_UUT49.4 R4_CTL49.2 U2_CTL49.1@3934,1457 | length 4340.8
  Top Layer w10: v1(3791.5,1612) 3831.5,1572 3906.5,1572 3931.5,1547 ; U2_CTL49.1@3934,1457 3934,1544.5 3931.5,1547 ; R4_CTL49.2@4031.5,1547 3931.5,1547
  Bottom Layer w10: v1(3791.5,1612) 3833.5,1570 3884.5,1570 3901.5,1587 3901.5,1807 4119,2024.5 4119,4337 4181.5,4399.5 4181.5,5172 4234.5,5225 P1_UUT49.4@4307,5225
RESET50: P1_UUT50.4 R4_CTL50.2 U2_CTL50.1@5011.5,1457 | length 4340.8
  Top Layer w10: v1(4869,1612) 4909,1572 4984,1572 5009,1547 ; U2_CTL50.1@5011.5,1457 5011.5,1544.5 5009,1547 ; R4_CTL50.2@5109,1547 5009,1547
  Bottom Layer w10: v1(4869,1612) 4911,1570 4962,1570 4979,1587 4979,1812 5179,2012 5179,4327 5259,4407 5259,5172 5312,5225 P1_UUT50.4@5384.5,5225